# Altium PCB tester.PcbDoc (part 1 of 2) (continued)
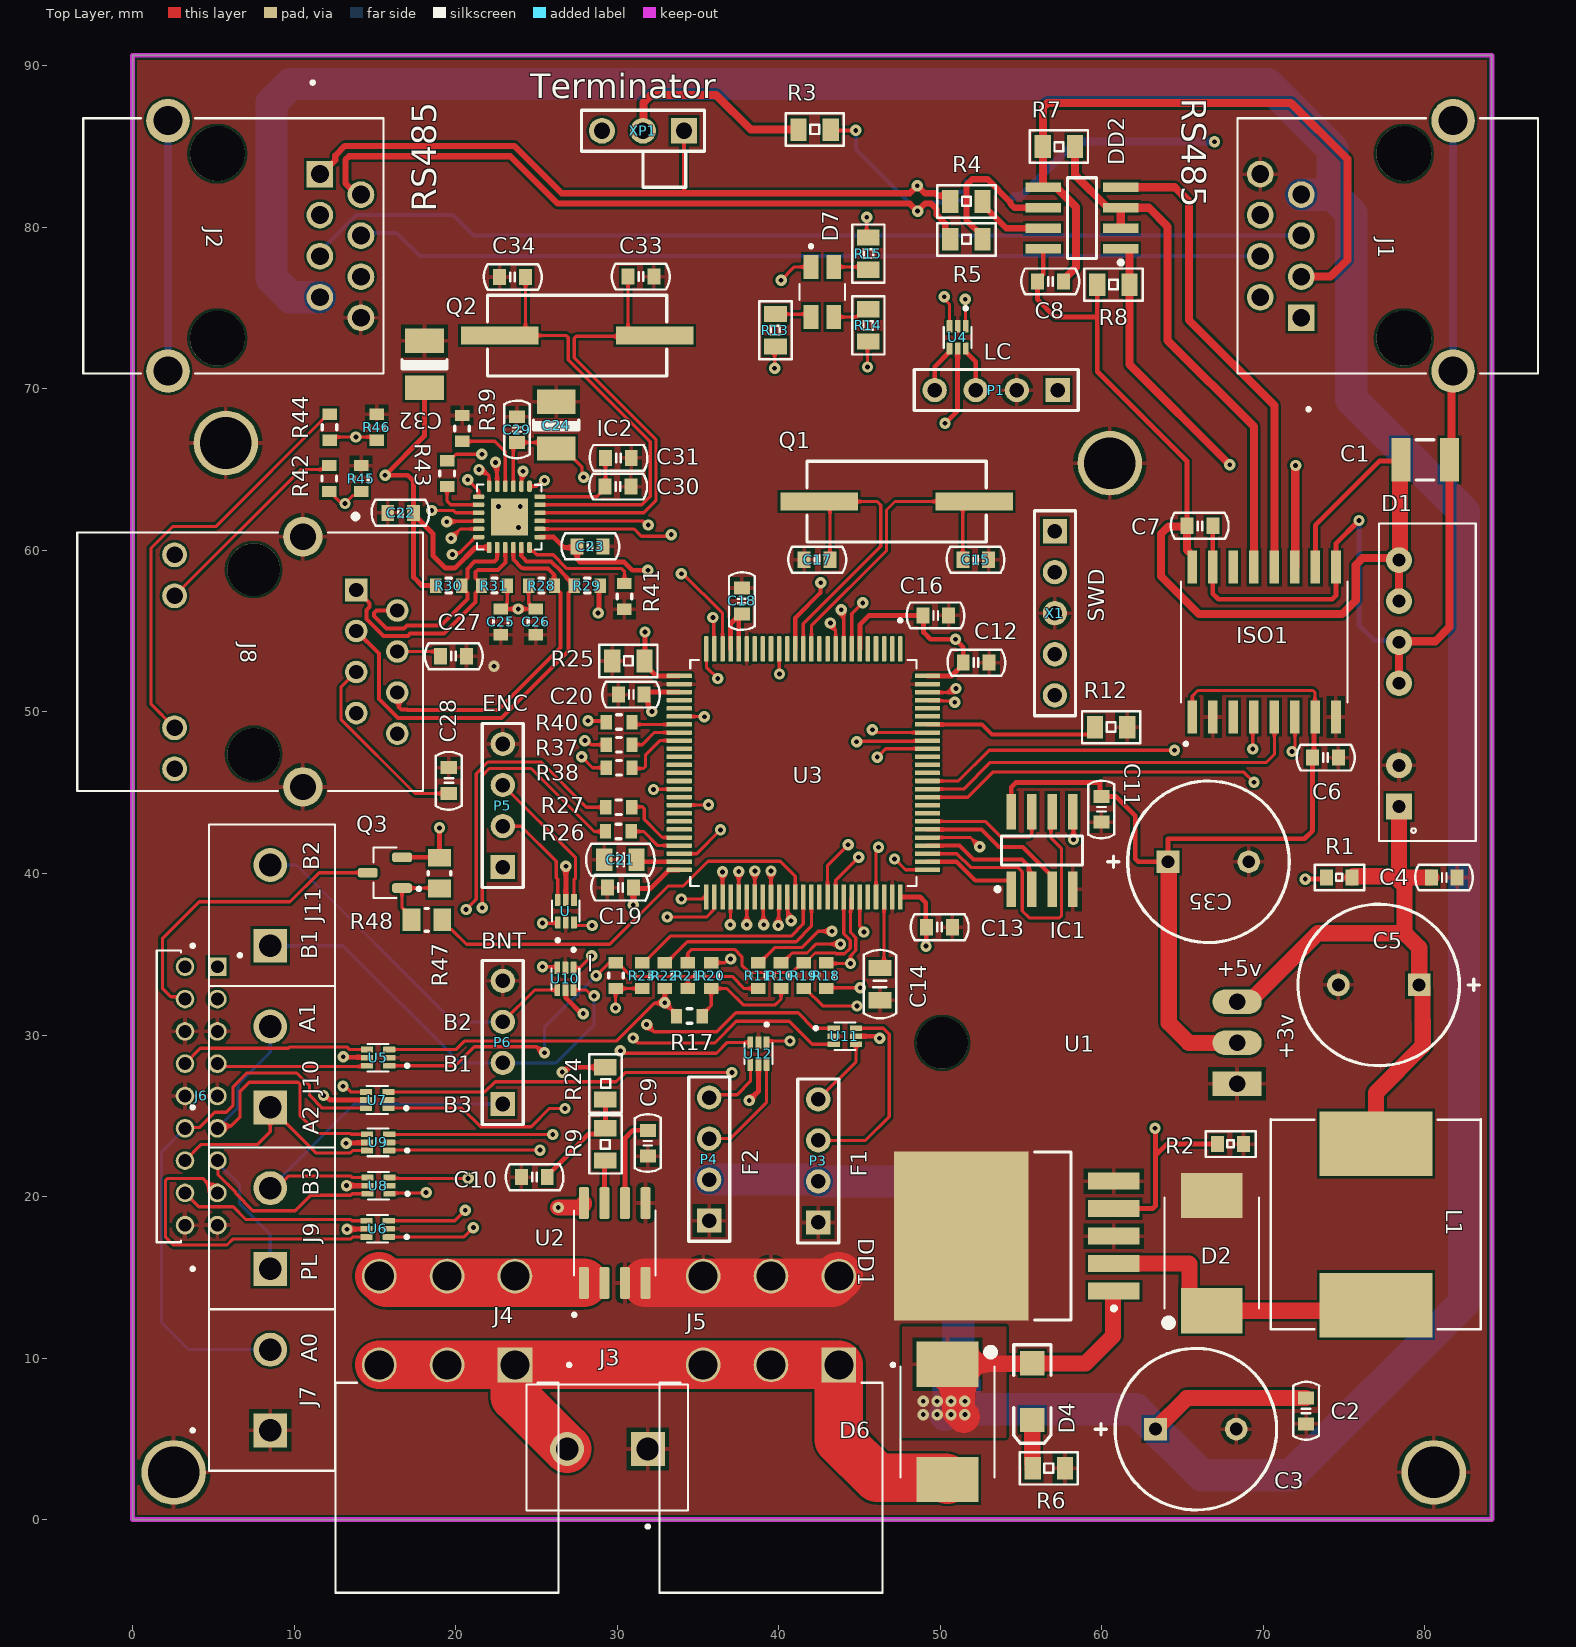
[diagram p0: Top Layer view]
## Components (designator, comment, footprint, x,y, rotation, side; value= is the part's Value field where it differs from the comment) (continued)
J10 "TB003-500-P02BE" CUI_TB003-500-P02BE 8.525,25.525 r90 top
J11 "TB003-500-P02BE" CUI_TB003-500-P02BE 8.525,35.525 r90 top
l "NC" RESCHIP0603 29.925,33.675 r270 top (schematic designator R16)
L1 "SRR1208-6R5ML" SRR1208 76.975,18.275 r90 top
P1 "OLED" HDR1X4 57.28,69.925 r180 top
P3 "FAN1" HDR1X4 42.45,18.395 r90 top
P4 "FAN2" HDR1X4 35.7,18.51 r90 top
P5 "Encoder" HDR1X4 22.925,40.395 r90 top
P6 "Button" HDR1X4 22.925,25.73 r90 top
Q1 "12MHz" HC49SM 47.3,63.025 r0 top
Q2 "25MHz" HC49SM 27.525,73.3 r180 top
Q3 "IRLML5103TRPBF" SOT95P237X112-3N 15.625,40.05 r180 top
R1 "3K" "Resistor 0603" 73.9,39.75 r0 top
R2 "1K" "Resistor 0603" 67.175,23.25 r0 top
R3 "120" "Resistor 0805" 41.225,86.05 r0 top
R4 "10" "Resistor 0805" 50.625,81.6 r0 top
R5 "10" "Resistor 0805" 50.625,79.25 r0 top
R6 "10K" "Resistor 0805" 55.725,3.175 r0 top
R7 "10K" "Resistor 0805" 58.35,85 r180 top
R8 "10K" "Resistor 0805" 59.725,76.45 r0 top
R9 "10" "Resistor 0805" 29.275,22.225 r90 top
R10 "0" RESCHIP0603 40.144,33.675 r270 top
R11 "0" RESCHIP0603 38.725,33.675 r270 top
R12 "510" "Resistor 0805" 59.575,49.05 r0 top
R13 "3.9k" "Resistor 0805" 39.8,72.625 r90 top
R14 "3.9k" "Resistor 0805" 45.55,72.925 r90 top
R15 "3.9k" "Resistor 0805" 45.55,79.375 r270 top
R17 "NC" RESCHIP0603 34.475,31.175 r0 top
R18 "0" RESCHIP0603 42.95,33.675 r270 top
R19 "0" RESCHIP0603 41.55,33.675 r270 top
R20 "0" RESCHIP0603 35.825,33.675 r270 top
R21 "0" RESCHIP0603 34.375,33.675 r270 top
R22 "0" RESCHIP0603 32.95,33.675 r270 top
R23 "0" RESCHIP0603 31.55,33.675 r270 top
R24 "10K" "Resistor 0805" 29.275,28 r270 top
R25 "10K" "Resistor 0805" 29.7,53.15 r0 top
R26 "0" RESCHIP0603 30.075,42.6 r180 top
R27 "0" RESCHIP0603 30.1,44.1 r180 top
R28 "50R" RESCHIP0603 25.325,57.825 r180 top
R29 "50R" RESCHIP0603 28.15,57.825 r0 top
R30 "50R" RESCHIP0603 19.575,57.825 r180 top
R31 "50R" RESCHIP0603 22.4,57.825 r0 top
R37 "33R" RESCHIP0603 30.125,47.975 r180 top
R38 "33R" RESCHIP0603 30.125,46.55 r180 top
R39 "10k" RESCHIP0603 20.4,67.55 r270 top
R40 "33R" RESCHIP0603 30.125,49.375 r180 top
R41 "12.1k" RESCHIP0603 30.45,57.15 r270 top
R42 "220 Ом" RESCHIP0603 12.175,64.45 r90 top
R43 "33R" RESCHIP0603 19.475,64.75 r270 top
R44 "220 Ом" RESCHIP0603 12.2,67.625 r90 top
R45 "10k" RESCHIP0603 14.15,64.45 r270 top
R46 "10k" RESCHIP0603 15.125,67.625 r270 top
R47 "10k" RESCHIP0805 19,40.025 r90 top
R48 "10" RESCHIP0805 18.225,37.125 r180 top
U "USBLC6-2P6" SOT50P160X60-6N 26.825,37.665 r90 top
U1 "LM1117T-3.3" TO-220-KCS0003B 68.375,29.515 r90 top
U2 "ACS712ELCTR-05B-T" SOIC127P600X175-8N 29.85,17.125 r90 top
U3 "STM32F303V" QFP50P1600X1600X160-100N 41.525,46.225 r270 top
U4 "USBLC6-2P6" SOT50P160X60-6N 51.075,73.185 r270 top
U5 "USBLC6-2P6" SOT50P160X60-6N 15.2,28.6 r180 top
U6 "USBLC6-2P6" SOT50P160X60-6N 15.175,18 r180 top
U7 "USBLC6-2P6" SOT50P160X60-6N 15.15,25.975 r180 top
U8 "USBLC6-2P6" SOT50P160X60-6N 15.225,20.675 r180 top
U9 "USBLC6-2P6" SOT50P160X60-6N 15.2,23.35 r180 top
U10 "USBLC6-2P6" SOT50P160X60-6N 26.8,33.475 r270 top
U11 "USBLC6-2P6" SOT50P160X60-6N 44.1,29.925 r0 top
U12 "USBLC6-2P6" SOT50P160X60-6N 38.75,28.85 r270 top
X1 "PLS-5" PLS-5-3D 57.1,61.19 r270 top
XP1 "Term120" ZL201-3 31.6,85.975 r180 top

## Footprints (in the part's own frame and the unit in brackets; to place one, negate y for a bottom-side part, rotate by r counter-clockwise, add the part's x,y. Pads: shape width x height; smd on the part's side, far side on the other; paste and mask are expansions set on the pad)
3.2X1.6X1.1 [mm] "SMT LED; 2 Flat Leads"
  rect 1.5x1.5 smd: 1(-1.75,0) 2(1.75,0)
  silkscreen extent -2.9,-1.15 3.2,1.15
*SOIC127P1030X265-16N [mm]
  rect 2.06x0.6 smd: 1(-4.64,4.445) 2(-4.64,3.175) 3(-4.64,1.905) 4(-4.64,0.635) 5(-4.64,-0.635) 6(-4.64,-1.905) 7(-4.64,-3.175) 8(-4.64,-4.445) 9(4.64,-4.445) 10(4.64,-3.175) 11(4.64,-1.905) 12(4.64,-0.635) 13(4.64,0.635) 14(4.64,1.905) 15(4.64,3.175) 16(4.64,4.445)
  silkscreen extent -6.4,-5.15 3.75,5.15
AM2D-NZ [mm]
  rect 1.6x1.6 hole 0.8: 1(0,0)
  round 1.6 hole 0.8: 2(2.54,0) 4(7.62,0) 5(10.16,0) 6(12.7,0) 7(15.24,0)
  silkscreen extent -2.15,-4.75 17.5,1.25
ASSMANN_A-2004-2-4-LPS-N-R [mm]
  rect 1.65x1.65 hole 1.1: 1(-4.445,6.35)
  round 1.65 hole 1.1: 2(-3.175,8.89) 3(-1.905,6.35) 4(-0.635,8.89) 5(0.635,6.35) 6(1.905,8.89) 7(3.175,6.35) 8(4.445,8.89)
  round 2.7 hole 1.8: S1(-7.75,-3.05) S2(7.75,-3.05)
  round 3.4 hole 3.4 unplated: ""(-5.715,0) ""(5.715,0)
  silkscreen extent -10.21,-8.3 7.9,10.3
"CAPACITOR 0603" [mm]
  rect 0.8x1 smd: 1(0,0) 2(1.6,0)
  silkscreen extent -0.97,-0.8 2.6,0.8, body extent -0.01,-0.38 1.64,0.42, height 0.81
"CAPACITOR 0805" [mm]
  rect 1x1.4 smd: 1(0,0) 2(2,0)
  silkscreen extent -1.12,-1 3.12,1, body extent 0.01,-0.6 2.01,0.6, height 1.26
CAPC3225X270N [mm] "Chip Capacitor, Body 3.2x2.5mm, IPC Medium Density"
  rect 1.15x2.7 smd: 1(-1.5,0) 2(1.5,0)
  silkscreen extent -0.55,-1.25 0.55,1.25, body extent -1.7,-1.35 1.7,1.35, height 2.7
CAPCHIP0603 [mm] "Chip Capacitor, 2-Leads, Body 1,6x0,8mm"
  rect 0.7x0.9 smd mask+0.06: 1(-0.8,0) 2(0.8,0)
  silkscreen extent -0.15,-0.45 0.15,0.45, body extent -0.8,-0.4 0.8,0.4, height 0.9
CUI_TB003-500-P02BE [mm]
  rect 2.1x2.1 hole 1.4: 1(0,0)
  round 2.1 hole 1.4: 2(5,0)
  silkscreen extent -2.5,-4 7.5,4.9
DIOM7958X213N [mil]
  rect 110x150 smd: A(140.49,0) C(-140.49,0)
  silkscreen extent -176,-115 135,115
"ECR 10x13mm" [mm] "Rad Capacitor 50В-220мкФ"
  rect 1.4x1.4 hole 0.8 mask+0.06: 1(-2.5,0)
  round 1.4 hole 0.8 mask+0.06: 2(2.5,0)
  silkscreen extent -6.22,-5 5,5, body extent -5,-5 4.97,5, height 12.51
HANRUN_HR911105A [mm]
  rect 1.398x1.398 hole 0.89: 1(4.45,-6.35)
  round 1.398 hole 0.89: 2(3.18,-8.89) 3(1.91,-6.35) 4(0.64,-8.89) 5(-0.63,-6.35) 6(-1.9,-8.89) 7(-3.17,-6.35) 8(-4.44,-8.89)
  round 1.53 hole 1.02: 9(6.625,4.9) 10(4.085,4.9) 11(-4.085,4.9) 12(-6.625,4.9)
  round 2.445 hole 1.63: 15(7.745,-3.05) 16(-7.745,-3.05)
  round 3.25 hole 3.25 unplated: ""(-5.715,0) ""(5.715,0)
  silkscreen extent -8,-10.48 9.15,10.92, body extent -7.94,-10.49 7.94,10.91, height 13.6
HC49SM [mm] "Quartz crystal resonator"
  rect 4.8x1.1 smd mask+0.06: 1(-4.8,0) 2(4.8,0)
  silkscreen extent -5.55,-2.5 5.55,2.5, body extent -6.7,-2.45 6.7,2.45, height 5.09
HDR1X4 [mm] "Connector; Header; 4 Position"
  rect 1.5x1.5 hole 0.9: 1(0,0)
  round 1.5 hole 0.9: 2(2.54,0) 3(5.08,0) 4(7.62,0)
  silkscreen extent -1.27,-1.27 8.89,1.27
LAN8742A [mm]
  rrect50% 0.69x0.28 smd: 1(-0.645,2.5) 2(-0.645,2) 3(-0.645,1.5) 4(-0.645,1) 5(-0.645,0.5) 6(-0.645,0) 13(3.145,0) 14(3.145,0.5) 15(3.145,1) 16(3.145,1.5) 17(3.145,2) 18(3.145,2.5)
  rrect50% 0.28x0.69 smd: 7(0,-0.645) 8(0.5,-0.645) 9(1,-0.645) 10(1.5,-0.645) 11(2,-0.645) 12(2.5,-0.645) 19(2.5,3.145) 20(2,3.145) 21(1.5,3.145) 22(1,3.145) 23(0.5,3.145) 24(0,3.145)
  rect 2.286x2.286 smd: 25(1.25,1.25)
  silkscreen extent -0.75,-0.74 3.26,3.27, body extent -0.75,-0.74 3.26,3.27, height 1
LED_150141M173100 [mm]
  rect 1.5x0.9 smd: 1(1.55,0.7) 2(1.55,-0.7) 3(-1.55,0.7) 4(-1.55,-0.7)
  silkscreen extent -0.5,-1.4 2.92,1.4
NSO8 [mm] "SOIC, 8-Leads, Body 4.9x3.9mm, Pitch 1.27mm"
  rect 2.2x0.6 smd mask+0.06: 1(-2.4,1.905) 2(-2.4,0.635) 3(-2.4,-0.635) 4(-2.4,-1.905) 5(2.4,-1.905) 6(2.4,-0.635) 7(2.4,0.635) 8(2.4,1.905)
  silkscreen extent -2.53,-2.5 0.9,2.88, body extent -3,-2.45 3,2.45, height 1.7
PLS-5-3D [mm] "Connector; Header; 5 Position"
  rect 1.5x1.5 hole 0.9: 1(0,0)
  round 1.5 hole 0.9: 2(2.54,0) 3(5.08,0) 4(7.62,0) 5(10.16,0)
  silkscreen extent -1.27,-1.27 11.43,1.27, body extent -1.27,-1.27 11.43,1.27, height 8.44
QFP50P1600X1600X160-100N [mm]
  rrect25% 1.56x0.28 smd: 1(-7.68,6) 2(-7.68,5.5) 3(-7.68,5) 4(-7.68,4.5) 5(-7.68,4) 6(-7.68,3.5) 7(-7.68,3) 8(-7.68,2.5) 9(-7.68,2) 10(-7.68,1.5) 11(-7.68,1) 12(-7.68,0.5) 13(-7.68,0) 14(-7.68,-0.5) 15(-7.68,-1) 16(-7.68,-1.5) 17(-7.68,-2) 18(-7.68,-2.5) 19(-7.68,-3) 20(-7.68,-3.5) 21(-7.68,-4) 22(-7.68,-4.5) 23(-7.68,-5) 24(-7.68,-5.5) 25(-7.68,-6) 51(7.68,-6) 52(7.68,-5.5) 53(7.68,-5) 54(7.68,-4.5) 55(7.68,-4) 56(7.68,-3.5) 57(7.68,-3) 58(7.68,-2.5) 59(7.68,-2) 60(7.68,-1.5) 61(7.68,-1) 62(7.68,-0.5) 63(7.68,0) 64(7.68,0.5) 65(7.68,1) 66(7.68,1.5) 67(7.68,2) 68(7.68,2.5) 69(7.68,3) 70(7.68,3.5) 71(7.68,4) 72(7.68,4.5) 73(7.68,5) 74(7.68,5.5) 75(7.68,6)
  rrect25% 0.28x1.56 smd: 26(-6,-7.68) 27(-5.5,-7.68) 28(-5,-7.68) 29(-4.5,-7.68) 30(-4,-7.68) 31(-3.5,-7.68) 32(-3,-7.68) 33(-2.5,-7.68) 34(-2,-7.68) 35(-1.5,-7.68) 36(-1,-7.68) 37(-0.5,-7.68) 38(0,-7.68) 39(0.5,-7.68) 40(1,-7.68) 41(1.5,-7.68) 42(2,-7.68) 43(2.5,-7.68) 44(3,-7.68) 45(3.5,-7.68) 46(4,-7.68) 47(4.5,-7.68) 48(5,-7.68) 49(5.5,-7.68) 50(6,-7.68) 76(6,7.68) 77(5.5,7.68) 78(5,7.68) 79(4.5,7.68) 80(4,7.68) 81(3.5,7.68) 82(3,7.68) 83(2.5,7.68) 84(2,7.68) 85(1.5,7.68) 86(1,7.68) 87(0.5,7.68) 88(0,7.68) 89(-0.5,7.68) 90(-1,7.68) 91(-1.5,7.68) 92(-2,7.68) 93(-2.5,7.68) 94(-3,7.68) 95(-3.5,7.68) 96(-4,7.68) 97(-4.5,7.68) 98(-5,7.68) 99(-5.5,7.68) 100(-6,7.68)
  silkscreen extent -9.54,-7 7,7
RESCHIP0603 [mm] "Chip Resistor, 2-Leads, Body 1,6x0,8mm"
  rect 0.7x0.9 smd mask+0.06: 1(-0.8,0) 2(0.8,0)
  silkscreen extent -0.15,-0.45 0.15,0.45, body extent -0.8,-0.4 0.8,0.4, height 0.4
RESCHIP0805 [mm] "Chip Resistor, 2-Leads, Body 2,0x1,3mm"
  rect 1.1x1.4 smd mask+0.06: 1(-0.95,0) 2(0.95,0)
  silkscreen extent -0.1,-0.7 0.1,0.7, body extent -1,-0.62 1,0.63, height 0.5
"Resistor 0603" [mm]
  rect 0.8x1 smd: 1(0,0) 2(1.6,0)
  silkscreen extent -0.72,-0.8 2.35,0.8, body extent -0.03,-0.45 1.63,0.45, height 0.46
"Resistor 0805" [mm]
  rect 1x1.4 smd: 1(0,0) 2(2,0)
  silkscreen extent -0.8,-1 2.8,1, body extent -0.03,-0.65 2.02,0.65, height 0.41
SOIC127P600X175-8N [mm]
  rrect25% 1.97x0.6 smd: 1(-2.475,1.905) 2(-2.475,0.635) 3(-2.475,-0.635) 4(-2.475,-1.905) 5(2.475,-1.905) 6(2.475,-0.635) 7(2.475,0.635) 8(2.475,1.905)
  silkscreen extent -4.54,-2.52 2,2.6
SOT23 [mm] "Корпус"
  oval 0.6x1.5 smd: 1(-0.95,-1.475)
  rect 0.6x1.5 smd: 2(0.95,-1.475) 3(0,1.475)
  silkscreen extent -1.45,-0.53 1.45,0.55, body extent -1.5,-1.27 1.5,1.27, height 1.1
SOT50P160X60-6N [mm]
  rrect8% 0.75x0.35 smd: 1(-0.69,0.5) 2(-0.69,0) 3(-0.69,-0.5) 4(0.69,-0.5) 5(0.69,0) 6(0.69,0.5)
  silkscreen extent -1.9,-0.85 0.65,0.85
SOT95P237X112-3N [mm]
  rrect50% 1.23x0.59 smd: 1(-1.06,0.95) 2(-1.06,-0.95) 3(1.06,0)
  silkscreen extent -2.2,-1.56 0.7,1.56
SRR1208 [mm]
  rect 4x7 smd: P$1(-5,0) P$2(5,0)
  silkscreen extent -6.5,-6.5 6.5,6.5
TE_1-1734507-8 [mm]
  rect 1.15x1.15 hole 0.8: 1(16,0)
  round 1.15 hole 0.8: 2(16,2) 3(14,0) 4(14,2) 5(12,0) 6(12,2) 7(10,0) 8(10,2) 9(8,0) 10(8,2) 11(6,0) 12(6,2) 13(4,0) 14(4,2) 15(2,0) 16(2,2) 17(0,0) 18(0,2)
  silkscreen extent -1.05,-1.5 17,3.75, body extent -2.08,-0.25 18.02,9.1, height 6.26
TE_1586041-6 [mm]
  rect 2.15x2.15 hole 1.8: 1(0,0)
  round 2.15 hole 1.8: 2(0,-5.5) 3(4.2,0) 4(4.2,-5.5) 5(8.4,0) 6(8.4,-5.5)
  silkscreen extent -3.45,-0.1 11.1,14.1, body extent -3.18,-5.97 11.12,14.17, height 11.8
"TECAP B" [mm] "Chip Capacitor, 2-Leads, Body 3,5x2,8mm"
  rect 1.5x2.4 smd mask+0.06: 1(-1.45,0) 2(1.45,0)
  silkscreen extent -0.3,-1.4 0.3,1.4, body extent -1.75,-1.4 1.75,1.4, height 1.92
TO-220-KCS0003B [mil]
  rect 60x120 hole 40: 1(-100,0)
  oval 60x120 hole 40: 2(0,0) 3(100,0)
  round 125 hole 125 unplated: ""(0,718.5)
  body extent -190,-97 200,827
TO-263 [mm] "D2-PAK, 6-Leads, Body 8.6x10.2mm, Pitch 1.7mm, Lead Span 14.1mm"
  rect 3.2x1.05 smd mask+0.06: 1(-6,3.4) 2(-6,1.7) 3(-6,0) 4(-6,-1.7) 5(-6,-3.4)
  rect 8.3x10.45 smd mask+0.06: 6(3.45,0)
  silkscreen extent -6.13,-5.2 -1.1,5.2, body extent -7.18,-5.08 7.46,5.08, height 4.57
ZL201-3 [mm] "Connector; PLS-3; pitch 2.54"
  rect 1.6x1.6 hole 1 mask+0.06: 1(-2.54,0)
  round 1.6 hole 1 mask+0.06: 2(0,0) 3(2.54,0)
  silkscreen extent -3.81,-1.27 3.81,1.27, body extent -3.81,-1.27 3.81,1.27, height 8.44

## Part data
C1 C2 C4 C6 C7 C8 C9 C10 C11 C12 C13 C14 C15 C16 C17 C18 C19 C20 C21 C22 C23 C27 C28 C29 C30 C31 C33 C34: library part Capasitor
C3 C5 C35: library part "Cap Pol", "Polarized Capacitor (Rad)", Voltage=50, Type=Type, URL=http://www.hitano.com.tw/PDF/ECR_081225.pdf
C24: "Solid Tantalum Surface Mount Capacitors", Voltage=6v, Type=Type
C25 C26: library part "Cap C", "Керамическтй конденсатор SMD C0603", Type=0603
C32: library part "Cap T", "Solid Tantalum Surface Mount Capacitors", Voltage=16V, Type="TECAP B"
D2 D6: "Diode Schottky 40V 5A Surface Mount SMC", Package="DO-214 ON Semiconductor", Availability=Unavailable, MF="ON Semiconductor", MP=MBRS540T3G, Price=None, SnapEDA_Link=https://www.snapeda.com/parts/MBRS540T3G/ON%20Semiconductor/view-part/78777/?ref=snap
D3: "Asymmetrical TVS Diode for Extended Common-Mode RS-485"
D4: "Typical RED, GREEN, YELLOW, AMBER GaAs LED", LatestRevisionDate=17-Jul-2002, LatestRevisionNote="Re-released for DXP Platform.", PackageDescription="SM LED; 2 Flat Leads", PackageReference=3.2X1.6X1.1, PackageVersion=Feb-2002, Published=8-Jun-2000, Publisher="Altium Limited"
D7: "Red, Green, Blue _RGB_ 625nm Red, 520nm Green, 470nm Blue LED Indication - Discrete 2V Red, 3.2V Green, 3.2V Blue 1411 _3528 Metric_", Package="1411 WÃ¼rth Elektronik", Availability=Unavailable, MF="Wurth Electronics", MP=150141M173100, Price=None, SnapEDA_Link=https://www.snapeda.com/parts/150141M173100/Wurth%20Electronics%20Inc./view-part/281733/?ref=snap
DD1: "SIMPLE SWITCHER® Power Converter 150 KHz 3A Step-Down Voltage Regulator, 5-pin TO-263", Manufacturer="National Semiconductor", ComponentLink1URL=http://www.national.com/ds/LM/LM2596.pdf, ComponentLink2URL=http://www.national.com/pf/LM/LM2596.html, ComponentLink3URL=http://www.national.com/packaging/folders/ts5b.html, CompType=Switcher, PartNumber=LM2596S-ADJ, Published=13.04.2012, Publisher="Reukov A.V."
DD2: "Low-Power, Slew-Rate-Limited RS-485/RS-422 Transceiver", ComponentLink1URL=http://pdfserv.maxim-ic.com/en/ds/MAX1487-MAX491.pdf, Type=MAX485
IC1: library part W25Q128FVEIG, "128M-bit Serial Flash Memory with uniform 4KB sectors and Dual/Quad SPI and QPI"
ISO1: library part ISO7341
J1 J2: "Jack Modular Connector 8p8c _RJ45, Ethernet_ 90Â° Angle _Right_ Shielded", Package=None, Availability=Unavailable, MF="Assmann WSW", MP=A-2004-2-4-LPS-N-R, Price=None, SnapEDA_Link=https://www.snapeda.com/parts/A-2004-2-4-LPS-N-R/Assmann%20WSW%20Components/view-part/454861/?ref=snap
J3 J7 J9 J10 J11: "2~24 Poles, Screw Type, Horizontal, 5.0 Pitch, 26~14 _AWG_, Terminal Block Connector", Package=None, Availability=Unavailable, MF="CUI Devices", MP=TB003-500-P02BE, Price=None, SnapEDA_Link=https://www.snapeda.com/parts/TB003-500-P02BE/CUI%20Devices/view-part/3590637/?ref=snap
J4 J5 J6: Package=None, Availability=Unavailable, Price=None
  J4 J5: MP=1586041-6
  J6: MP=1-1734507-8
J8: "HR911105A Ethernet Interface Arduino Platform Evaluation Expansion Board", Package=None, Availability=Unavailable, MF=DFRobot, MP=HR911105A, Price=None, SnapEDA_Link=https://www.snapeda.com/parts/HR911105A/DFRobot/view-part/214807/?ref=snap
l R10 R11 R17 R18 R19 R20 R21 R22 R23 R26 R27: library part Res, "303V", Power_W={Power_W}, Tolerance_Percent={Tolerance_Percent}, Body={Body}, Installation={Installation}, Ordering_Information={Ordering_Information}, Pins=2, SubClass=Резисторы
  R10 R11 R18 R19 R26 R27: Class=303V
  R20 R21 R22 R23: Class=407V
L1: "6.5ÂµH Shielded Wirewound Inductor 6A 18mOhm Max Nonstandard", Package="Nonstandard Bourns", Availability=Unavailable, MF=Bourns, MP=SRR1208-6R5ML, Price=None, SnapEDA_Link=https://www.snapeda.com/parts/SRR1208-6R5ML/Bourns/view-part/353452/?ref=snap
P1 P3 P4 P5 P6: library part "Header 4", "Header, 4-Pin", LatestRevisionDate=17-Jul-2002, LatestRevisionNote="Re-released for DXP Platform.", Publisher="Altium Limited"
Q1 Q2: library part "Quartz Crystal", "Quartz Crystal"
Q3: "RoHS Compliant", Package=None, Availability=Unavailable, MP=IRLML5103TRPBF, Price=None
R1 R2 R3 R4 R5 R6 R7 R8 R9 R12 R13 R14 R15 R24 R25: library part Resistor
R28 R29 R30 R31 R37 R38 R39 R40 R41 R43 R45 R46 R47 R48: library part Res, "Резистор", Power_W={Power_W}, Tolerance_Percent={Tolerance_Percent}, Body={Body}, Class="Электронные компоненты", Installation={Installation}, Ordering_Information={Ordering_Information}, Pins=2, SubClass=Резисторы
R42 R44: library part Res, "Резистор SMD R0603", Tolerance=%, PWR=Value, Type=0603
U U4 U5 U6 U7 U8 U9 U10 U11 U12: "17V Clamp 5A _8/20Âµs_ Ipp Tvs Diode Surface Mount SOT-666", Package="SOT-563 STMicroelectronics", Availability=Unavailable, MF=STMicroelectronics, MP=USBLC6-2P6, Price=None, SnapEDA_Link=https://www.snapeda.com/parts/USBLC6-2P6/STMicroelectronics/view-part/106846/?ref=snap
U1: "Linear Voltage Regulator IC 1 Output 800mA TO-220-3", Package="TO-220 Texas Instruments", Availability=Unavailable, MF="Texas Instruments", MP=LM1117T-3.3, Price=None, SnapEDA_Link=https://www.snapeda.com/parts/LM1117T-3.3/Texas%20Instruments/view-part/103788/?ref=snap
U2: "Current Sensor 5A 1 Channel Hall Effect, Open Loop Bidirectional 8-SOIC _0.154, 3.90mm Width_", Package="SOIC-8 Allegro MicroSystems LLC", Digi-Key_Part_Number=620-1189-1-ND, Digi-Key_Purchase_URL=https://www.digikey.in/product-detail/en/allegro-microsystems/ACS712ELCTR-05B-T/620-1189-1-ND/1284606?utm_source=snapeda&utm_medium=aggregator&utm_campaign=symbol, MF="Allegro MicroSystems LLC", MP=ACS712ELCTR-05B-T, SnapEDA_Link=https://www.snapeda.com/parts/ACS712ELCTR-05B-T/Allegro%20MicroSystems%20LLC/view-part/46765/?ref=snap
U3: "ARMÂ® CortexÂ®-M4 STM32F3 Microcontroller IC 32-Bit 72MHz 100-LQFP (14x14)", Package="LQFP-100 STMicroelectronics", Availability=Unavailable, MF=STMicroelectronics, MP=STM32F303V, Price=None
X1: "Header, 5-Pin", LatestRevisionDate=17-Jul-2002, LatestRevisionNote="Re-released for DXP Platform.", Publisher="Altium Limited"
XP1: library part "Select jump", "Ter120", Class="Электронные компоненты", Installation=DIP, Ordering_Information={Ordering_Information}, Pins=3, Pitch_mm={Pitch_mm}, SubClass=Разъемы, Type_of_connector={Type_of_connector}

## Free pads (board coordinates)
  round 4 hole 3.2: 6(2.55,2.925) 6(5.775,66.65) 6(60.5,65.4) 6(80.55,2.925)

## Via types
v1: diameter 0.7, hole 0.3, Top Layer to Bottom Layer, tented both sides, 135 vias
v2: diameter 0.7, hole 0.3, Top Layer to Bottom Layer, 1 vias

## Nets (pads, with @x,y where several pads share a name; then routed paths per layer and width w, separated by ;. In a path a pad name is that pad's centre, name@x,y a point inside that pad or via, vN(x,y) a via of type N, cw(c..) or ccw(c..) an arc to the next point about the centre after c; other vN are vias at no path point)
3.3v: C18.2 U3.21 U3.22 | length 4.2
  Top Layer w0.3: U3.22@37.025,53.905 37.025,55.475 37.425,55.875 37.525,55.875 U3.21@37.525,53.905
485_N: D3.1 J1.2 J2.2 R3.2 R5.1 | length 79.4
  Top Layer w0.25: R3.2@43.225,86.05 43.275,86 v1(44.775,86)
  Top Layer w0.381: J2.2@14.14,82.025 13.886,82.025 13.183,82.727 13.183,84.175 13.406,84.399 23.38,84.399 26.308,81.47 48.118,81.47 48.588,81 v1(48.6,81) 48.6,81.012 49.058,81.47 49.433,81.47 49.777,81.127 49.777,80.767 50.315,80.228 50.315,79.56 R5.1@50.625,79.25
  Layer 2 w0.381: v1(48.6,81) 48.6,81.132 49.044,81.577 63.902,81.577 69.804,75.675 J1.2@69.81,75.675
  Bottom Layer w0.25: v1(44.775,86) 44.775,84.825 v1(48.6,81) 48.6,81.012 49.123,81.536 50.277,81.536 50.414,81.673 51.454,81.673 51.6,81.527 D3.1@51.6,80.975
485_P: D3.2 J1.1 J2.1 R4.1 XP1.1 | length 77
  Top Layer w0.25: XP1.1@34.14,85.975 34.14,82.265 34.3,82.105
  Top Layer w0.381: J2.1@11.6,83.295 12.234,83.93 12.325,83.93 12.548,84.153 12.548,84.438 13.143,85.034 23.643,85.034 26.571,82.105 34.3,82.105 48.117,82.105 48.575,82.563 v1(48.575,82.575) 48.587,82.575 49.058,82.105 49.696,82.105 49.846,81.955 50.315,81.955 50.625,81.646 R4.1@50.625,81.6
  Layer 2 w0.381: v1(48.575,82.575) 48.594,82.575 48.958,82.212 64.165,82.212 69.327,77.05 70.084,77.05 70.975,76.158 70.975,75.78 J1.1@72.35,74.405
  Bottom Layer w0.25: v1(48.575,82.575) 48.587,82.575 49.123,82.04 50.068,82.04 50.206,82.177 51.454,82.177 51.6,82.323 D3.2@51.6,82.875
+3.3v: C6.1 C11.1 C12.1 C13.1 C16.2 C19.1 C20.1 C22.1 C23.1 C24.1 C25.1 C26.1 C27.1 C28.2 C29.1 C32.1 C35.1 D7.1 IC1.8 IC2.1 IC2.9 IC2.19 ISO1.1 ISO1.7 J8.4 J8.5 J8.9 J8.12 P1.1 P5.1 Q3.2 R28.2 R29.2 R30.2 R31.2 R47.2 U1.2 U3.6 U3.28 U3.50 U3.75 U3.100 U4.5 U5.5 U6.5 U7.5 U8.5 U9.5 U10.5 U11.5 U12.5 U.5 X1.5 | length 172.4
  Top Layer w0.2: J8.5@13.85,52.47 12.901,51.521 12.901,49.537 17.488,44.95 C28.2@19.575,44.95 ; J8.4@16.39,53.74 18.785,53.74 C27.1@19.075,53.45 ; C25.1@22.8,56.375 C25.1@22.9,56.375 ; R31.2@23.2,57.825 23.2,56.675 C25.1@22.9,56.375 ; IC2.9@23.575,63.97 23.575,66.45 C29.1@23.8,66.675 25.85,66.675 C24.1@26.225,66.3 26.675,66.3 27.829,65.146 27.829,64.621 v1(27.925,64.525) ; R28.2@24.525,57.825 24.525,56.7 C26.1@24.85,56.375 ; C26.1@24.95,56.375 C26.1@24.85,56.375 ; v1(40.15,76.725) 40.975,77.55 D7.1@42,77.55 ; ISO1.1@65.605,49.685 65.605,50.98 65.95,51.325 73.075,51.325 73.192,51.208 73.192,49.652 ISO1.7@73.137,49.597 ; C25.1@22.9,56.375 v1(23.875,56.375) C26.1@24.85,56.375
  Top Layer w0.3: v1(11.825,26.25) 11.933,26.25 12.208,25.975 U7.5@14.46,25.975 ; v1(13.05,28.65) 13.075,28.625 14.485,28.625 U5.5@14.51,28.6 ; v1(13.225,23.3) 13.25,23.325 14.485,23.325 U9.5@14.51,23.35 ; v1(13.25,20.675) U8.5@14.535,20.675 ; v1(13.275,17.975) 13.287,17.988 14.472,17.988 U6.5@14.485,18 ; Q3.2@16.685,41 18.975,41 R47.2@19,40.975 v1(19,42.825) ; C32.1@18.075,70.075 18.075,67.088 v1(15.637,64.65) 17.025,64.65 17.4,64.275 C22.1@17.4,62.325 C22.1@17.4,62.225 ; R30.2@18.775,57.825 17.9,57.825 17.4,58.325 C22.1@17.4,62.225 ; IC2.19@22.075,60.18 21.23,60.18 19.95,58.9 19.375,58.9 18.6,59.675 18.6,61.025 C22.1@17.4,62.225 ; IC2.1@25.22,60.825 26.075,60.825 26.725,60.175 27.45,60.175 C23.1@27.525,60.25 27.525,59.451 27.701,59.275 30.441,59.275 30.941,58.775 v1(31.9,58.775) ; U10.5@26.8,32.785 26.825,32.76 26.825,32.294 27.794,31.325 v1(27.9,31.325) ; U.5@26.825,38.355 v1(26.825,40.45) ; v1(28.825,56.125) 28.887,56.188 28.887,57.763 R29.2@28.95,57.825 ; v1(31,38.05) C19.1@31,39.125 31.05,39.075 32.075,39.075 33.225,40.225 U3.50@33.845,40.225 ; v1(32.15,50.025) 32.15,50.133 31.925,50.358 31.925,50.825 C20.1@31.675,51.075 31.825,51.225 U3.28@33.845,51.225 ; v1(38.175,25.95) 38.75,26.525 U12.5@38.75,28.16 ; U11.5@44.79,29.925 46.017,29.925 46.142,29.8 v1(46.25,29.8) ; U3.6@45.025,53.905 45.025,55.4 45.6,55.975 C16.2@48.925,55.975 48.975,55.925 48.975,54.925 49.4,54.5 v1(50.95,54.5) 50.95,54.475 51.425,54 C12.1@51.425,53.05 51.425,52.95 50.7,52.225 U3.100@49.205,52.225 ; U3.75@47.525,38.545 48.755,38.545 49.1,38.2 49.1,36.725 C13.1@49.15,36.675 49.137,36.662 49.137,35.512 v1(49.125,35.5) ; v1(50.3,67.875) 51.075,68.65 U4.5@51.075,72.495 ; IC1.8@54.395,43.825 54.395,45.345 54.675,45.625 59.899,45.625 59.899,44.851 C11.1@59.975,44.775 60.875,44.775 62.075,43.575 62.075,40.901 62.251,40.725 C35.1@64.1,40.725 64.1,42.15 72.55,42.15 73.05,42.65 C6.1@73.05,47.175 73.137,47.262 ISO1.7@73.137,49.597
  Top Layer w1: C35.1@64.1,40.725 64.15,40.675 64.15,30.75 65.385,29.515 U1.2@68.375,29.515
+5v: C4.2 C5.1 D1.1 L1.P$2 R1.2 U1.3 U2.8 | length 94.2
  Top Layer w1: v1(26.35,19.325) 27.745,19.325 27.945,19.525 U2.8@27.945,19.6 ; U1.3@68.375,32.055 69.137,32.055 73.382,36.3 78.75,36.3 ; R1.2@75.5,39.75 75.575,39.825 78.164,39.825 78.24,39.749 78.4,39.749 ; L1.P$2@76.975,23.275 76.975,26.425 79.875,29.325 79.875,30.875 79.85,30.9 79.85,32.9 C5.1@79.65,33.1 79.65,35.4 78.75,36.3 ; D1.1@78.4,44.155 78.4,39.749 ; C4.2@80.4,39.749 78.4,39.749 ; 78.4,39.749 78.4,39.589 78.75,39.239 78.75,36.3
  Layer 3 w1: v1(26.35,19.325) 38.425,31.4 41.675,31.4 48.125,24.95 59.15,24.95 66.175,31.975 68.295,31.975 U1.3@68.375,32.055
+5v_ISO: C1.2 C7.2 C8.2 D1.6 D1.7 DD2.8 ISO1.10 ISO1.16 R8.1 | length 68.5
  Top Layer w0.3: DD2.8@56.375,78.67 56.375,77.1 56.025,76.75 C8.2@56.025,76.65 56.025,75.525 57.1,74.45 59.725,74.45 ; R8.1@59.725,76.45 59.725,74.45 ; C7.2@65.275,61.525 65.275,65.525 59.725,71.075 59.725,74.45 ; ISO1.10@73.225,58.965 73.225,61.55 77.212,65.537 C1.2@78.462,65.537
  Top Layer w0.5: C7.2@65.275,61.525 C7.2@65.275,61.425 ; ISO1.16@65.605,58.965 65.605,59.695 65.275,60.025 C7.2@65.275,61.425 ; D1.6@78.4,56.855 D1.7@78.4,59.395 78.27,59.525 76.15,59.525 75.725,59.1 75.725,56.9 74.875,56.05 66.025,56.05 63.675,58.4 63.675,61.032 64.125,61.482 65.218,61.482 C7.2@65.275,61.425
  Top Layer w1: D1.7@78.4,59.395 78.462,59.457 C1.2@78.462,65.537
+5v_RJ: J1.4 J2.4 | length 56.3
  Bottom Layer w0.25: J2.4@14.14,79.485 14.311,79.656 16.344,79.656 17.785,78.215 J1.4@69.81,78.215
A1: U3.58 U9.3 | length 32.5
  Top Layer w0.2: U9.3@15.89,23.85 15.903,23.837 v1(26.013,23.837) ; U3.58@39.025,38.545 39.05,38.52 39.05,36.85 v1(39.075,36.825)
  Layer 2 w0.2: v1(26.013,23.837) 29.842,23.837 39.075,33.07 v1(39.075,36.825)
A1_z: J6.11 J10.2 U9.4 | length 21.5
  Top Layer w0.2: J6.11@5.25,24.225 5.4,24.375 6.125,24.375 6.65,24.9 6.65,26.5 7.225,27.075 10.25,27.075 10.375,26.95 10.375,25 11.475,23.9 13.474,23.9 13.524,23.85 U9.4@14.51,23.85
  Bottom Layer w0.2: J6.11@5.25,24.225 6.525,25.5 6.525,26.925 8.525,28.925 J10.2@8.525,30.525
A2: U3.61 U9.1 | length 34
  Top Layer w0.2: U9.1@15.89,22.85 15.915,22.875 v1(25.225,22.875) ; U3.61@40.525,38.545 40.565,38.505 40.565,37.187 40.682,37.07 v1(40.772,37.07)
  Layer 2 w0.2: v1(25.225,22.875) 29.375,22.875 40.772,34.272 v1(40.772,37.07)
A2_z: J6.14 J10.1 U9.6 | length 14.8
  Top Layer w0.2: J6.14@3.25,22.225 4.25,23.225 7.75,23.225 8.525,24 J10.1@8.525,25.525 11.35,22.7 13.474,22.7 13.624,22.85 U9.6@14.51,22.85
AN1: C10.2 R9.2 R24.2 | length 6.7
  Top Layer w0.3: C10.2@25.675,21.2 25.675,21.3 28.25,23.875 28.925,23.875 R9.2@29.275,24.225 R24.2@29.275,26
DE: ISO1.4 U3.85 | length 25.2
  Top Layer w0.2: U3.85@49.205,44.725 51.7,44.725 53.25,46.275 68.8,46.275 v1(69.425,45.65) ; v1(69.35,47.7) 69.35,49.62 ISO1.4@69.415,49.685
  Layer 2 w0.2: v1(69.35,47.7) 69.387,47.663 69.387,45.688 v1(69.425,45.65)
DIR_B3: U3.55 U8.3 | length 35.5
  Top Layer w0.2: U8.3@15.915,21.175 15.965,21.125 v1(20.775,21.125) 20.775,21.14 v1@20.64,21.275 ; U3.55@37.525,38.545 v1(37.525,40.125)
  Layer 2 w0.2: v1(20.775,21.125) 20.86,21.21 21.21,21.21 26.2,26.2 30.72,26.2 36.05,31.53 36.05,37.525 37.525,39 v1(37.525,40.125)
DIR_B3_z: J9.2 P6.1 U8.4 | length 22.9
  Top Layer w0.2: J9.2@8.525,20.525 8.934,20.525 9.684,21.275 13.499,21.275 13.599,21.175 U8.4@14.535,21.175
  Bottom Layer w0.2: J9.2@8.525,20.525 13.73,25.73 P6.1@22.925,25.73
EN_A0: U3.57 U7.1 | length 35.2
  Top Layer w0.2: U7.1@15.84,25.475 20.395,25.475 21.545,24.325 24.675,24.325 25.8,25.45 v1(26.775,25.45) ; U3.57@38.525,38.545 v1(38.525,40.15)
  Layer 2 w0.2: v1(26.775,25.45) 30.465,25.45 36.4,31.385 36.4,37.074 38.525,39.199 v1(38.525,40.15)
EN_A0_z: J6.12 J7.2 U7.6 | length 34.6
  Top Layer w0.2: J6.12@3.25,24.225 3.292,24.267 4.125,24.267 5.083,25.225 5.8,25.225 6.225,25.65 6.225,26.8 7.075,27.65 10.17,27.65 10.961,26.859 10.961,26.266 11.751,25.475 U7.6@14.46,25.475
  Bottom Layer w0.2: J6.12@3.25,24.225 1.8,22.775 1.8,12.2 3.475,10.525 J7.2@8.525,10.525
EN_PLUG: U3.56 U8.1 | length 33.3
  Top Layer w0.2: U8.1@15.915,20.175 15.953,20.213 18.138,20.213 v1(18.175,20.25) ; v1(38.025,36.825) U3.56@38.025,38.545
  Layer 2 w0.2: v1(18.175,20.25) 21.025,20.25 25.3,24.525 30.035,24.525 38.025,32.515 v1(38.025,36.825)
EN_PLUG_z: J6.13 J9.1 U8.6 | length 19.6
  Top Layer w0.2: J6.13@5.25,22.225 5.292,22.183 5.292,21.35 6.378,20.263 6.378,20.197 7.45,19.125 10.075,19.125 11.025,20.075 13.499,20.075 13.599,20.175 U8.6@14.535,20.175
  Bottom Layer w0.2: J6.13@5.25,22.225 5.25,22.1 6.625,20.725 6.625,19.55 8.525,17.65 J9.1@8.525,15.525
Encoder_1: U3.59 U.3 | length 16.6
  Top Layer w0.2: U.3@27.325,36.975 27.325,36.85 27.4,36.775 v1(28.45,36.775) ; U3.59@39.525,38.545 v1(39.525,40.15)
  Layer 2 w0.2: v1(28.45,36.775) 32.75,41.075 39.445,41.075 39.525,40.995 v1(39.525,40.15)
Encoder_2: U3.60 U.1 | length 25.2
  Top Layer w0.2: v1(25.375,36.925) 26.275,36.925 U.1@26.325,36.975 ; v1(39.975,36.775) 40,36.8 40,38.52 U3.60@40.025,38.545
  Layer 2 w0.2: v1(25.375,36.925) 25.375,37.025 30.4,42.05 39.77,42.05 40.525,41.295 40.525,39.05 39.975,38.5 v1(39.975,36.775)
Eth_NRST: IC2.15 U3.23 | length 25.8
  Top Layer w0.2: v1(18.525,62.475) 19.868,62.475 20.018,62.325 IC2.15@21.43,62.325 ; v1(33.975,58.55) 34.075,58.55 36.525,56.1 U3.23@36.525,53.905
  Layer 2 w0.2: v1(18.525,62.475) 20.575,62.475 23.375,59.675 32.85,59.675 v1(33.975,58.55)
FAN1_IN: U3.31 U11.1 | length 43.2
  Top Layer w0.2: v1(31.826,30.649) 32.275,30.2 36.175,30.2 37.35,31.375 41.2,31.375 42.15,30.425 U11.1@43.41,30.425 ; U3.31@33.845,49.725 33.858,49.712 35.388,49.712 v1(35.4,49.7)
  Layer 2 w0.2: v1(31.826,30.649) 29.846,30.649 27.727,30.649 24.775,33.601 24.775,37.274 29.901,42.4 30.299,42.4 35.4,47.501 v1(35.4,49.7)
FAN1_OUT: U3.40 U11.3 | length 39.7
  Top Layer w0.2: v1(30.988,29.812) 31.3,29.5 36.025,29.5 37.375,30.85 40.65,30.85 42.075,29.425 U11.3@43.41,29.425 ; v1(32.25,45.2) 32.262,45.213 33.833,45.213 U3.40@33.845,45.225
  Layer 2 w0.2: v1(30.988,29.812) 27.608,29.812 24.425,32.995 24.425,39.225 30.4,45.2 v1(32.25,45.2)